# Allegro board 8880F5-0822_7.brd (continued)
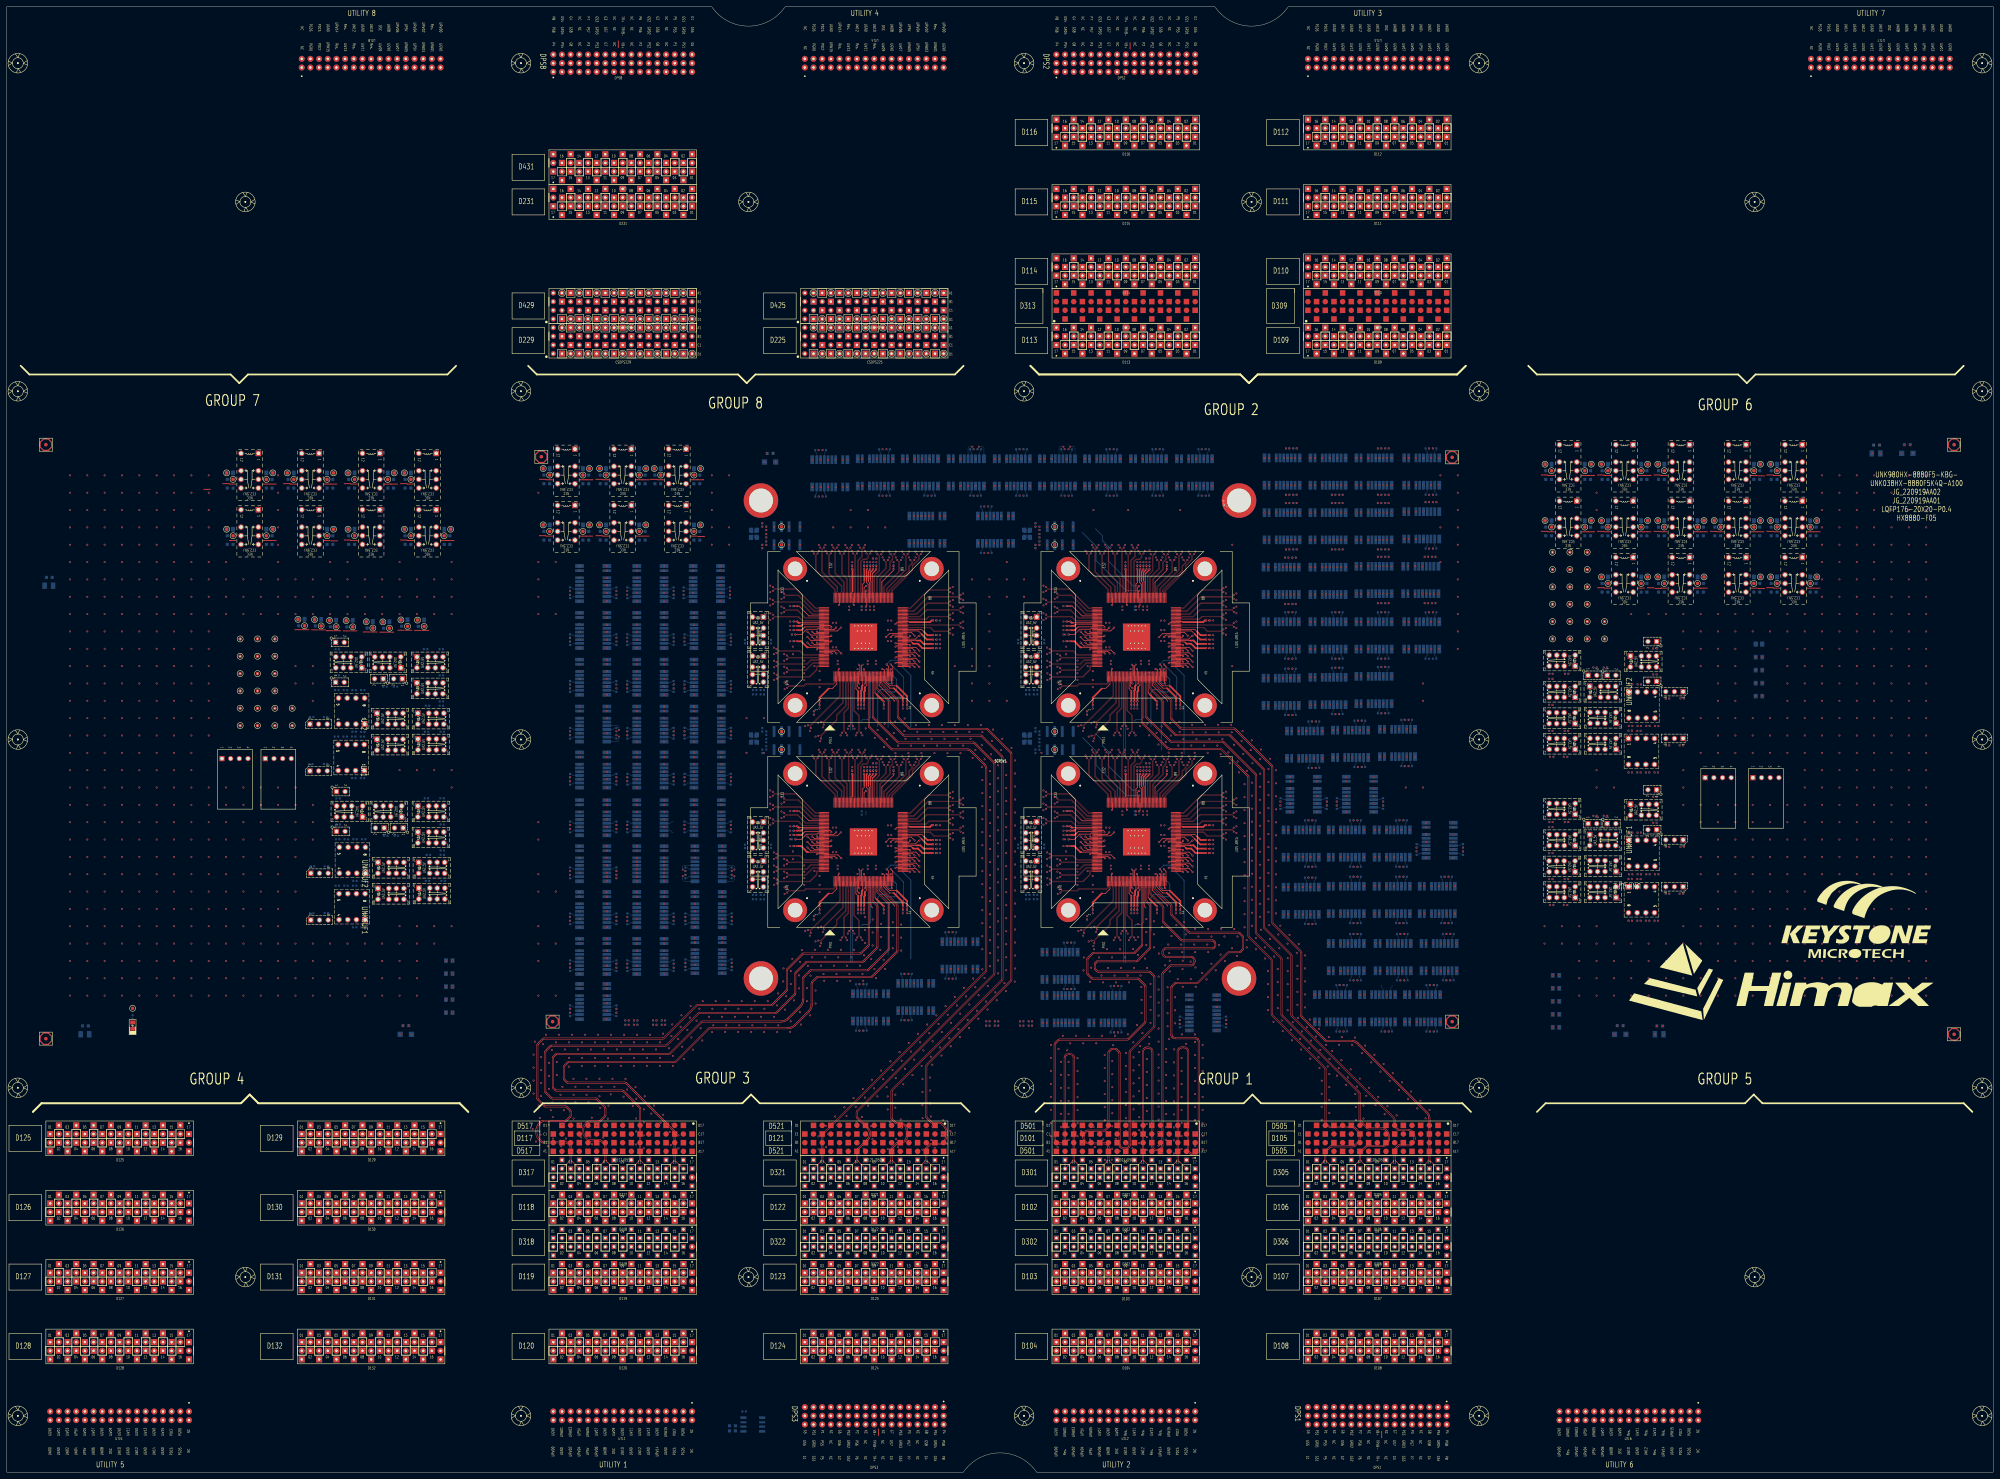
[diagram p0: board, top side]
## Routing (per net, layer and track width the routed paths; a pad name or vN(x,y) marks a point on that pad's centre or on a via; arc(x,y) is an arc through that point) (continued)
S3_DPS_F_001:
  vias: v1(190.24,131.06)
S3_DPS_F_002: length 10.1
  TOP w0.231: 240.65,169.55 241.72,169.55 243.03,170.86 SITE3.3
  TOP w0.508: v1(237.98,165.75) 237.98,166.88 240.65,169.55
  vias: v1(236.32,162.9) v1(237.98,163.71)
S3_DPS_F_003: length 63.1
  TOP w0.231: 251.69,201.16 251.69,200.65 252.23,200.11 SITE3.107 ; 232.83,188.18 233.08,188.43 SITE3.145 ; SITE3.17 248.63,169.5 249.28,168.85 ; SITE3.37 256.63,171.59 258.57,169.66 259.73,169.66 ; SITE3.63 264.9,183.23 265.2,182.93 ; 234.63,181.63 SITE3.162 ; 267.84,185.53 266.94,186.43 SITE3.71
  TOP w0.381: v1(251.94,204.54) 251.69,204.28 251.69,201.16
  TOP w0.508: 265.2,182.93 265.45,182.68 266.8,182.68 268.11,181.37 v1(271.22,181.37) ; v1(231.44,187.93) 232.58,187.93 232.83,188.18 ; v1(231.44,183.41) 232.59,183.41 234.37,181.63 234.63,181.63 ; 267.84,185.53 269.46,183.91 v1(271.22,183.91) ; v1(249.28,165.75) 249.28,168.85 ; 259.73,169.66 262.36,167.02 v1(262.36,165.75)
  vias: v1(229.4,187.93) v1(229.4,183.41) v1(249.28,163.71) v1(251.94,206.58) v1(262.36,163.71) v1(273.27,183.91) v1(273.27,181.37)
S3_DPS_F_006: length 9.6
  TOP w0.231: 268.55,186.19 267.92,186.83 SITE3.72
  TOP w0.508: 268.55,186.19 269.56,185.18 v1(271.22,185.18)
  vias: v1(259,186.67) v1(273.27,185.18)
S3_DPS_F_007: length 19
  TOP w0.231: 264.37,189.01 264.15,189.23 SITE3.78 ; v1(259.65,204.54) 259.65,204.13 256.23,200.71 SITE3.97
  TOP w0.508: v1(271.22,189.5) 270.8,189.5 270.31,189.01 264.37,189.01
  vias: v1(259.65,206.58) v1(273.27,189.5)
S3_DPS_F_009: length 8.8
  TOP w0.231: 252.26,201.12 252.26,200.9 252.63,200.53 SITE3.106
  TOP w0.381: v1(252.83,204.54) 252.83,204.39 252.26,203.82 252.26,201.12
  vias: v1(252.83,206.58) v1(253.61,207.66)
S3_DPS_F_010: length 8.6
  TOP w0.231: 251.05,201.13 251.05,200.57 250.63,200.15 SITE3.111
  TOP w0.381: 251.05,201.13 v1(251.05,204.54)
  vias: v1(251.05,206.58)
S3_DPS_F_011: length 17.6
  TOP w0.231: SITE3.139 234.87,190.83 232.01,193.69 v1(231.44,193.69) ; 247.64,198.01 247.43,197.79 SITE3.119
  TOP w0.508: 247.64,198.01 247.64,204.47 v1(247.57,204.54)
  vias: v1(229.4,193.69) v1(247.57,206.58)
S3_DPS_F_012: length 8
  TOP w0.231: 232.2,188.83 SITE3.144
  TOP w0.508: 232.2,188.83 231.81,188.83 v1(231.44,189.2)
  vias: v1(229.4,189.2)
S3_ISP00+: length 14.6
  TOP w0.086: SITE3.73 263.98,187.23 264.06,187.31 270.41,187.31 271.56,186.16 275.81,186.16 v1(276.24,185.73)
  vias: v1(184.47,178.86)
S3_ISP00-: length 14.6
  TOP w0.086: v1(276.24,186.87) 275.77,186.4 271.66,186.4 270.51,187.55 264.06,187.55 263.98,187.63 SITE3.74
  vias: v1(192.47,178.86)
S3_ISP14+: length 14.8
  TOP w0.086: SITE3.112 250.23,197.78 250.15,197.86 250.15,206.68 250.73,207.26 251.76,207.26 252.42,207.92 252.42,208.71 v1(252.86,209.15)
  vias: v1(184.47,174.46)
S3_ISP14-: length 14.8
  TOP w0.086: SITE3.113 249.83,197.78 249.91,197.86 249.91,206.78 250.63,207.5 251.66,207.5 252.18,208.02 252.18,208.69 v1(251.72,209.15)
  vias: v1(192.47,174.46)
S3_M_DPS_F_001: length 45.2
  TOP w0.231: SITE3.39 257.43,171.49 258.54,170.37 260.57,170.37 ; SITE3.147 233.7,187.63 233.24,187.18 ; SITE3.104 253.43,203.21 ; 266.49,183.63 SITE3.64 ; 250.63,170.54 SITE3.22
  TOP w0.381: 253.43,203.21 254.61,204.39 v1(254.61,204.54)
  TOP w0.508: 233.24,187.18 232.72,186.66 v1(231.44,186.66) ; 266.49,183.63 267.49,183.63 268.48,182.64 v1(271.22,182.64) ; v1(250.17,165.75) 250.17,168.96 250.38,169.17 250.38,170.28 250.63,170.54 ; 260.57,170.37 263.63,167.31 v1(263.63,165.75)
  vias: v1(229.4,186.66) v1(250.17,163.71) v1(254.61,206.58) v1(263.63,163.71) v1(273.27,182.64)
S3_PS9G_DCH001: length 3.7
  TOP w0.231: SITE3.18 249.03,170.23 v1(249.63,169.63)
S3_PS9G_DCH002: length 2.2
  TOP w0.231: SITE3.19 249.43,171.23 v1(249.63,171.03)
S3_PS9G_DCH003: length 2.2
  TOP w0.231: SITE3.24 251.43,171.23 v1(251.23,171.03)
S3_PS9G_DCH004: length 2.2
  TOP w0.231: v1(257.63,175.23) 257.83,175.03 SITE3.40
S3_PS9G_DCH005: length 2.2
  TOP w0.231: v1(264.43,175.83) 264.23,176.03 SITE3.45
S3_PS9G_DCH006: length 3.7
  TOP w0.231: SITE3.46 265.23,176.43 v1(265.83,175.83)
S3_PS9G_DCH007: length 5.3
  TOP w0.231: v1(267.23,175.83) 266.22,176.83 SITE3.47
S3_PS9G_DCH009: length 2.2
  TOP w0.231: v1(264.43,177.43) 264.23,177.63 SITE3.49
S3_PS9G_DCH010: length 3.7
  TOP w0.231: v1(265.83,177.43) 265.23,178.03 SITE3.50
S3_PS9G_DCH011: length 5.3
  TOP w0.231: SITE3.51 266.22,178.43 v1(267.23,177.43)
S3_PS9G_DCH014: length 3.7
  TOP w0.231: v1(265.83,179.03) 265.23,179.63 SITE3.54
S3_PS9G_DCH015: length 5.3
  TOP w0.231: v1(267.23,179.03) 266.22,180.03 SITE3.55
S3_PS9G_DCH022: length 5.3
  TOP w0.231: v1(267.23,185.03) 267.05,185.03 266.05,184.03 SITE3.65
S3_PS9G_DCH023: length 2.5
  TOP w0.231: SITE3.66 264.03,184.43 264.43,184.83 v1(264.43,185.03)
S3_PS9G_DCH027: length 3.9
  TOP w0.231: SITE3.70 264.83,186.03 v1(265.83,185.03)
S3_PS9G_DCH028: length 2.3
  TOP w0.231: SITE3.77 260.6,188.83 v1(260.23,188.46)
S3_PS9G_DCH030: length 9.2
  TOP w0.231: SITE3.148 237.62,187.23 237.3,186.91 234.16,186.91 232.63,185.39 v1(230.91,185.39)
S3_PS9G_DCH035: length 5.3
  TOP w0.231: v1(234.44,186.23) 235.44,185.23 SITE3.153
S3_PS9G_DCH036: length 2.2
  TOP w0.231: v1(241.43,185.03) 241.23,184.83 SITE3.154
S3_PS9G_DCH037: length 2.2
  TOP w0.231: v1(237.23,184.63) 237.43,184.43 SITE3.155
S3_PS9G_DCH038: length 3.7
  TOP w0.231: SITE3.156 236.43,184.03 v1(235.83,184.63)
S3_PS9G_DCH039: length 5.3
  TOP w0.231: SITE3.157 235.44,183.63 v1(234.44,184.63)
S3_PS9G_DCH040: length 2.2
  TOP w0.231: v1(241.43,183.43) 241.23,183.23 SITE3.158
S3_RLY_001:
  vias: v1(256.73,140.14) v1(282.9,155.38)
S3_RLY_003:
  vias: v1(167.7,182.06) v1(269.94,143.19)
S3_RLY_005:
  vias: v1(184.47,222.95) v1(201.23,222.95)
S3_RLY_007:
  vias: v1(184.47,209.49)
S3_RLY_008:
  vias: v1(167.7,209.49) v1(184.47,195.52)
S3_RLY_016:
  vias: v1(167.7,195.52) v1(201.23,209.49)
S3_RLY_021:
  vias: v1(167.7,168.6) v1(201.23,195.52)
S3_RLY_022:
  vias: v1(184.47,154.88) v1(201.49,155.13)
S3_RLY_023:
  vias: v1(167.7,141.67)
S3_RLY_025:
  vias: v1(201.49,182.06) v1(201.49,168.6)
S3_RLY_026:
  vias: v1(184.47,168.6)
S3_RLY_030:
  vias: v1(167.7,154.88)
S3_RLY_043:
  vias: v1(184.47,182.06)
S3_SCAN_DCH008: length 2.2
  TOP w0.231: v1(260.23,177.03) 260.43,177.23 SITE3.48
S3_SCAN_DCH012: length 2.2
  TOP w0.231: v1(260.23,178.63) 260.43,178.83 SITE3.52
S3_SCAN_DCH013: length 2.2
  TOP w0.231: SITE3.53 264.23,179.23 v1(264.43,179.03)
S3_SCAN_DCH016: length 2.2
  TOP w0.231: SITE3.56 260.43,180.43 v1(260.23,180.23)
S3_SCAN_DCH017: length 2.2
  TOP w0.231: SITE3.57 264.23,180.83 v1(264.43,180.63)
S3_SCAN_DCH018: length 3.7
  TOP w0.231: v1(265.83,180.63) 265.23,181.23 SITE3.58
S3_SCAN_DCH019: length 5.3
  TOP w0.231: v1(267.23,180.63) 266.22,181.63 SITE3.59
S3_SCAN_DCH020: length 2.2
  TOP w0.231: SITE3.60 260.43,182.03 v1(260.23,181.83)
S3_SCAN_DCH021: length 2.2
  TOP w0.231: v1(264.43,182.23) 264.23,182.43 SITE3.61
S3_SCAN_DCH024: length 2.2
  TOP w0.231: SITE3.67 260.43,184.83 v1(260.23,184.63)
S3_SCAN_DCH025: length 3.7
  TOP w0.231: SITE3.68 259.43,185.23 v1(258.83,184.63)
S3_SCAN_DCH026: length 5.3
  TOP w0.231: v1(257.44,184.63) 258.44,185.63 SITE3.69
S3_SCAN_DCH031: length 3.7
  TOP w0.231: v1(242.83,187.43) 242.23,186.83 SITE3.149
S3_SCAN_DCH032: length 5.3
  TOP w0.231: SITE3.150 243.22,186.43 v1(244.22,187.43)
S3_SCAN_DCH033: length 2.2
  TOP w0.231: SITE3.151 237.43,186.03 v1(237.23,186.23)
S3_SCAN_DCH034: length 3.7
  TOP w0.231: v1(235.83,186.23) 236.43,185.63 SITE3.152
S3_SPI_CSN: length 25.9
  TOP w0.231: SITE3.43 259.03,171.23 v1(259.23,171.03)
  BOTTOM w0.231: v1(259.23,171.03) 258.4,171.03 255.17,174.25 253.58,174.25 252.91,173.59 252.91,161.11 252.25,160.44 250.61,160.44 250.11,159.95
S3_SPI_SCK: length 25.3
  TOP w0.231: SITE3.42 258.63,175.03 v1(258.83,175.23)
  BOTTOM w0.231: 255.03,158.48 255.03,168.39 255.92,169.27 257.17,169.27 257.9,168.54 259.96,168.54 260.53,169.11 260.53,172.28 258.83,173.98 v1(258.83,175.23)
S3_SPI_SDI: length 34.1
  TOP w0.231: SITE3.44 259.43,176.03 v1(258.83,176.63)
  BOTTOM w0.231: 258.07,151.53 258.07,166.28 258.85,167.06 262.04,167.06 262.6,167.63 262.6,172.86 v1(258.83,176.63)
S3_SPI_SDO: length 37
  TOP w0.231: v1(257.63,176.63) 258.23,176.03 SITE3.41
  BOTTOM w0.231: 264.72,150.32 264.72,173.4 262.29,175.83 262.29,177.04 261.5,177.83 258.83,177.83 v1(257.63,176.63)
S3_XTAL_OUT: length 3.7
  TOP w0.231: SITE3.110 251.03,199.03 v1(251.63,199.63)
S4_1TX_100DCH001+: length 205.1
  L30_SIGNAL w0.071: v1(421.02,174.43) 421.5,173.96 421.5,173.04 426.91,167.62 426.91,135.65 416.34,125.08 401.59,125.08 388.53,138.14 357.01,138.14 355.95,137.09 353.41,137.09 350.43,140.07 350.43,142.28 344.46,148.24 340.59,148.24 339.16,146.81 317.71,146.81 313.69,142.79 303.19,142.79 300.04,139.65 300.04,136.22 300.73,135.54 309.6,135.54 310.01,135.13 v1(310.01,131.64)
S4_1TX_100DCH001-: length 204.8
  L30_SIGNAL w0.071: v1(310.01,139.64) 310.01,136.15 309.59,135.74 300.81,135.74 300.24,136.3 300.24,139.56 303.27,142.6 313.77,142.6 317.79,146.61 339.24,146.61 340.67,148.05 344.38,148.05 350.23,142.2 350.23,139.99 353.33,136.89 356.03,136.89 357.09,137.94 388.45,137.94 401.51,124.88 416.43,124.88 427.11,135.57 427.11,167.7 421.7,173.12 421.7,173.96 v1(422.17,174.43)
S4_1TX_100DCH002+: length 108.9
  TOP w0.086: SITE4.75 343.98,188.03 344.06,188.11 358.84,188.11 v1(359.29,187.66)
  L30_SIGNAL w0.071: v1(421.02,160.85) 421.5,161.32 421.5,162.24 421.07,162.68 418.82,162.68 418.3,162.16 418.3,159.59 414.98,156.26 405.77,156.26 399.36,162.67 399.36,179.96 397.46,181.87 367.79,181.87 361.53,188.13 359.76,188.13 v1(359.29,187.66)
S4_1TX_100DCH002-: length 109.2
  TOP w0.086: SITE4.76 343.98,188.43 344.06,188.35 358.84,188.35 v1(359.29,188.8)
  L30_SIGNAL w0.071: v1(359.29,188.8) 359.76,188.33 361.61,188.33 367.87,182.06 397.54,182.06 399.56,180.05 399.56,162.76 405.86,156.46 414.9,156.46 418.11,159.67 418.11,162.24 418.74,162.87 421.15,162.87 421.7,162.32 421.7,161.31 v1(422.17,160.85)
S4_1TX_100DCH003+: length 92.2
  TOP w0.086: v1(356.24,190.09) 355.8,190.53 350.02,190.53 349.2,189.71 344.06,189.71 343.98,189.63 SITE4.79
  L30_SIGNAL w0.071: v1(408.07,157.67) 408.54,158.14 408.54,159.38 407.87,160.06 406.43,160.06 403.03,163.46 403.03,181.26 400.14,184.16 370.8,184.16 367.44,187.51 364.01,187.51 360.96,190.56 356.72,190.56 v1(356.24,190.09)
S4_1TX_100DCH003-: length 92.6
  TOP w0.086: v1(356.24,191.23) 355.78,190.77 349.92,190.77 349.1,189.95 344.06,189.95 343.98,190.03 SITE4.80
  L30_SIGNAL w0.071: v1(409.21,157.67) 408.74,158.14 408.74,159.46 407.95,160.25 406.51,160.25 403.23,163.54 403.23,181.35 400.22,184.35 370.88,184.35 367.52,187.71 364.09,187.71 361.04,190.76 356.72,190.76 v1(356.24,191.23)
S4_1TX_100DCH004+: length 139.3
  TOP w0.086: v1(359.29,192.02) 358.8,192.51 349.46,192.51 347.46,190.51 344.06,190.51 343.98,190.43 SITE4.81
  L30_SIGNAL w0.071: v1(408.07,144.08) 408.54,144.55 408.54,145.4 407.35,146.59 407.35,150.53 408.78,151.96 423.35,151.96 425.63,154.24 425.63,165.4 422.08,168.95 414.42,168.95 411.46,171.91 411.46,181.18 406.99,185.66 373.31,185.66 366.48,192.49 359.76,192.49 v1(359.29,192.02)
S4_1TX_100DCH004-: length 139.6
  TOP w0.086: v1(359.29,193.16) 358.88,192.75 349.36,192.75 347.37,190.75 344.06,190.75 343.98,190.83 SITE4.82
  L30_SIGNAL w0.071: v1(409.21,144.08) 408.74,144.55 408.74,145.48 407.55,146.67 407.55,150.45 408.86,151.76 423.43,151.76 425.82,154.16 425.82,165.48 422.16,169.15 414.5,169.15 411.66,171.99 411.66,181.26 407.07,185.85 373.39,185.85 366.56,192.69 359.76,192.69 v1(359.29,193.16)
S4_1TX_100DCH005+: length 279.3
  TOP w0.086: v1(356.24,193.95) 355.8,194.39 349.61,194.39 346.53,191.31 344.06,191.31 343.98,191.23 SITE4.83
  L30_SIGNAL w0.071: v1(356.24,193.95) 355.77,194.42 355.29,194.42 354.77,194.95 354.77,195.98 355.4,196.62 357.4,196.62 359.32,194.69 361.81,194.69 362.8,195.68 366.32,195.68 370.55,191.45 377.34,191.45 379.69,189.1 410.09,189.1 412.67,191.68 426.43,191.68 428.52,189.59 428.52,135.03 416.57,123.07 397.94,123.07 396.88,124.13 385.18,124.13 384.09,125.22 352.85,125.22 347.85,130.22 347.85,140.23 344.44,143.64 331.92,143.64 328.46,140.17 325.53,140.17 324.72,140.98 324.72,141.96 v1(324.25,142.43)
S4_1TX_100DCH005-: length 277.7
  TOP w0.086: SITE4.84 343.98,191.63 344.06,191.55 346.43,191.55 349.51,194.63 355.78,194.63 v1(356.24,195.09)
  L30_SIGNAL w0.071: v1(325.39,142.43) 324.92,141.96 324.92,141.06 325.61,140.37 328.37,140.37 331.84,143.84 344.52,143.84 348.05,140.31 348.05,130.31 352.93,125.42 384.17,125.42 385.27,124.33 396.96,124.33 398.02,123.27 416.49,123.27 428.32,135.11 428.32,189.51 426.35,191.49 412.75,191.49 410.17,188.9 379.61,188.9 377.26,191.25 370.47,191.25 366.24,195.48 362.88,195.48 361.9,194.49 359.24,194.49 357.31,196.42 355.48,196.42 354.97,195.9 354.97,195.03 355.38,194.62 355.77,194.62 v1(356.24,195.09)
S4_1TX_100DCH006+: length 269.7
  TOP w0.086: SITE4.85 343.98,192.03 344.06,192.11 345.58,192.11 349.82,196.36 358.81,196.36 v1(359.29,195.88)
  L30_SIGNAL w0.071: v1(324.25,128.84) 324.72,129.31 324.72,130.02 325.59,130.88 327.71,130.88 337.17,121.42 342.01,121.42 343.71,119.71 394.81,119.71 395.8,118.72 415.6,118.72 429.44,132.56 429.44,190.56 427.07,192.93 412.66,192.93 409.24,189.5 380.1,189.5 377.66,191.95 370.78,191.95 366.37,196.35 359.76,196.35 v1(359.29,195.88)
S4_1TX_100DCH006-: length 270
  TOP w0.086: v1(359.29,197.02) 358.87,196.6 349.73,196.6 345.48,192.35 344.06,192.35 343.98,192.43 SITE4.86
  L30_SIGNAL w0.071: v1(359.29,197.02) 359.76,196.55 366.46,196.55 370.86,192.15 377.74,192.15 380.19,189.7 409.15,189.7 412.58,193.13 427.15,193.13 429.64,190.64 429.64,132.48 415.68,118.53 395.72,118.53 394.73,119.51 343.63,119.51 341.92,121.22 337.09,121.22 327.63,130.68 325.67,130.68 324.92,129.94 324.92,129.31 v1(325.39,128.84)
S4_1TX_100DCH007+: length 109.3
  TOP w0.086: v1(356.24,197.81) 355.83,198.23 349.88,198.23 344.57,192.91 344.06,192.91 343.98,192.83 SITE4.87
  L30_SIGNAL w0.071: v1(409.34,220.41) 409.81,220.88 409.81,222.14 408.72,223.23 407.28,223.23 406.57,222.52 406.57,215.5 403.31,212.23 389.74,212.23 387.14,209.63 387.14,207.82 388.83,206.13 388.83,192.9 386.08,190.16 380.51,190.16 379.88,190.79 379.88,195.39 376.1,199.18 363.85,199.18 362.95,198.28 356.72,198.28 v1(356.24,197.81)
S4_1TX_100DCH007-: length 109.6
  TOP w0.086: SITE4.88 343.98,193.23 344.06,193.15 344.47,193.15 349.78,198.47 355.76,198.47 v1(356.24,198.95)
  L30_SIGNAL w0.071: v1(356.24,198.95) 356.72,198.48 362.87,198.48 363.77,199.37 376.18,199.37 380.08,195.48 380.08,190.87 380.59,190.36 386,190.36 388.63,192.99 388.63,206.05 386.94,207.74 386.94,209.71 389.66,212.43 403.23,212.43 406.38,215.58 406.38,222.61 407.2,223.43 408.8,223.43 410.01,222.22 410.01,220.88 v1(410.48,220.41)
S4_2AUX+:
  vias: v1(300.22,132.08) v1(300.22,130.81)
S4_2AUX-:
  vias: v1(296.68,130.81) v1(297.68,132.08)
S4_2TX_100DCH001+: length 16.3
  TOP w0.086: SITE4.89 339.43,197.78 339.35,197.86 339.35,198.16 345.32,204.13 345.32,205.52 347.21,207.41 347.21,208.5 v1(347.64,208.93)
  vias: v1(409.34,206.82)
S4_2TX_100DCH001-: length 16.3
  TOP w0.086: 346.97,208.46 346.97,207.51 345.08,205.62 345.08,204.23 339.11,198.26 339.11,197.86 339.03,197.78 SITE4.90 ; 346.97,208.46 346.97,208.48 ; 346.97,208.46 v1(346.5,208.93)
  vias: v1(410.48,206.82)
S4_2TX_100DCH002+: length 14.1
  TOP w0.086: v1(345.72,207.21) 345.28,206.78 345.28,206.31 344.35,205.37 344.35,204.04 338.55,198.23 338.55,197.86 338.63,197.78 SITE4.91
  vias: v1(421.53,157.67)
S4_2TX_100DCH002-: length 14.1
  TOP w0.086: v1(344.57,207.21) 345.04,206.74 345.04,206.4 344.11,205.47 344.11,204.13 338.31,198.33 338.31,197.86 338.23,197.78 SITE4.92
  vias: v1(422.68,157.67)
S4_2TX_100DCH003+: length 15.3
  TOP w0.086: v1(343.79,208.93) 343.34,208.49 343.34,204.27 337.75,198.68 337.75,197.86 337.83,197.78 SITE4.93
  vias: v1(421.53,144.08)
S4_2TX_100DCH003-: length 15.3
  TOP w0.086: v1(342.64,208.93) 343.1,208.47 343.1,204.37 337.51,198.78 337.51,197.86 337.43,197.78 SITE4.94
  vias: v1(422.68,144.08)
S4_2TX_100DCH004+: length 13.1
  TOP w0.086: v1(341.86,207.21) 341.41,206.77 341.41,203.74 336.95,199.28 336.95,197.86 337.03,197.78 SITE4.95
  vias: v1(394.35,157.67)
S4_2TX_100DCH004-: length 13.2
  TOP w0.086: SITE4.96 336.63,197.78 336.71,197.86 336.71,199.38 341.17,203.84 341.17,206.75 v1(340.71,207.21)
  vias: v1(395.5,157.67)
S4_2TX_100DCH005+: length 14.6
  TOP w0.086: SITE4.98 335.83,197.78 335.75,197.86 335.75,201.48 338.7,204.43 338.7,206.53 339.46,207.3 339.46,208.47 v1(339.93,208.93)
  vias: v1(394.35,144.08)
S4_2TX_100DCH005-: length 14.6
  TOP w0.086: SITE4.99 335.43,197.78 335.51,197.86 335.51,201.58 338.46,204.53 338.46,206.63 339.22,207.4 339.22,208.49 v1(338.78,208.93)
  vias: v1(395.5,144.08)
S4_2TX_100DCH006+: length 12.4
  TOP w0.086: v1(338,207.21) 337.55,206.76 337.55,204.67 334.95,202.07 334.95,197.86 335.03,197.78 SITE4.100
  vias: v1(426.4,182.99)
S4_2TX_100DCH006-: length 12.4
  TOP w0.086: v1(336.85,207.21) 337.31,206.76 337.31,204.77 334.71,202.17 334.71,197.86 334.63,197.78 SITE4.101
  vias: v1(426.4,181.84)
S4_2TX_100DCH007+: length 13.6
  TOP w0.086: v1(336.07,208.93) 335.64,208.51 335.64,204.07 334.15,202.58 334.15,197.86 334.23,197.78 SITE4.102
  vias: v1(412.81,182.99)
S4_2TX_100DCH007-: length 13.7
  TOP w0.086: SITE4.103 333.83,197.78 333.91,197.86 333.91,202.68 335.4,204.17 335.4,208.46 v1(334.93,208.93)
  vias: v1(412.81,181.84)
S4_3TX_100DCH002+: length 197.4
  TOP w0.086: SITE4.114 329.43,197.78 329.35,197.86 329.35,207.06 330.46,208.18 330.46,210.4 v1(330.93,210.87)
  L30_SIGNAL w0.071: v1(330.93,210.87) 330.46,210.4 330.46,203.29 346.84,186.9 353.69,186.9 359.47,181.12 395.32,181.12 398.7,177.74 398.7,146.26 402.3,142.66 412.68,142.66 414.37,144.35 419.12,144.35 420.76,142.71 420.76,138.95 418.5,136.7 402.67,136.7 400.84,134.86 400.84,127.24 401.62,126.45 403.4,126.45 403.98,127.04 403.98,128.61 v1(403.5,129.1)
S4_3TX_100DCH002-: length 198
  TOP w0.086: v1(329.79,210.87) 330.22,210.43 330.22,208.28 329.11,207.16 329.11,197.86 329.03,197.78 SITE4.115
  L30_SIGNAL w0.071: v1(329.79,210.87) 330.26,210.4 330.26,203.2 346.76,186.7 353.61,186.7 359.39,180.92 395.23,180.92 398.5,177.66 398.5,146.18 402.21,142.47 412.76,142.47 414.45,144.16 419.03,144.16 420.56,142.63 420.56,139.04 418.42,136.9 402.59,136.9 400.64,134.94 400.64,127.15 401.54,126.25 403.48,126.25 404.18,126.95 404.18,128.64 v1(404.64,129.1)
S4_3TX_100DCH003+: length 92.3
  TOP w0.086: v1(328.93,209.15) 328.55,208.77 328.55,197.86 328.63,197.78 SITE4.116
  L30_SIGNAL w0.071: v1(328.93,209.15) 328.46,209.62 328.46,212.66 330.34,214.54 343.09,214.54 344.13,213.51 358.11,213.51 359.65,215.06 374.52,215.06 379.48,210.1 379.48,201.55 381.62,199.41 381.62,191.02 381.55,190.94 v1(381.15,190.94)
S4_3TX_100DCH003-: length 93
  TOP w0.086: v1(327.79,209.15) 328.31,208.63 328.31,197.86 328.23,197.78 SITE4.117
  L30_SIGNAL w0.071: v1(382.29,190.94) 381.89,190.94 381.82,191.02 381.82,199.49 379.68,201.63 379.68,210.18 374.61,215.25 359.57,215.25 358.02,213.71 344.21,213.71 343.18,214.74 330.26,214.74 328.26,212.75 328.26,209.62 v1(327.79,209.15)
S4_3TX_100DCH004+: length 94.9
  TOP w0.086: SITE4.120 327.03,197.78 326.95,197.86 326.95,202.28 326.61,202.62 326.61,210.41 v1(327.07,210.87)
  L30_SIGNAL w0.071: v1(327.07,210.87) 326.6,210.4 326.6,202.3 337.77,191.13 340.99,191.13 342.91,189.2 342.91,184.95 346.06,181.8 348.43,181.8 353.3,176.94 371.84,176.94 373.86,174.92 380.87,174.92 381.62,175.67 381.62,176.88 v1(381.15,177.36)
S4_3TX_100DCH004-: length 95.6
  TOP w0.086: SITE4.121 326.63,197.78 326.71,197.86 326.71,202.19 326.38,202.52 326.38,210.42 v1(325.93,210.87)
  L30_SIGNAL w0.071: v1(382.29,177.36) 381.82,176.88 381.82,175.58 380.96,174.72 373.78,174.72 371.76,176.74 353.21,176.74 348.35,181.6 345.98,181.6 342.72,184.87 342.72,189.12 340.91,190.93 337.69,190.93 326.4,202.22 326.4,210.4 v1(325.93,210.87)
S4_3TX_100DCH005+: length 118.5
  TOP w0.086: v1(325.14,209.15) 324.69,208.7 324.69,203.17 326.15,201.71 326.15,197.86 326.23,197.78 SITE4.122
  L30_SIGNAL w0.071: v1(325.14,209.15) 324.67,208.68 324.67,196.15 326.01,194.81 326.01,176.77 329.58,173.19 394.39,173.19 394.83,173.63 394.83,173.96 v1(394.35,174.43)
S4_3TX_100DCH005-: length 119.1
  TOP w0.086: v1(324,209.15) 324.46,208.69 324.46,203.07 325.91,201.61 325.91,197.86 325.83,197.78 SITE4.123
  L30_SIGNAL w0.071: v1(324,209.15) 324.47,208.68 324.47,196.07 325.82,194.73 325.82,176.68 329.5,173 394.47,173 395.02,173.55 395.02,173.96 v1(395.5,174.43)
S4_3TX_100DCH006+: length 135
  TOP w0.086: v1(323.16,210.88) 322.73,210.45 322.73,203.37 325.35,200.75 325.35,197.86 325.43,197.78 SITE4.124
  L30_SIGNAL w0.071: v1(394.35,160.85) 394.83,160.37 394.83,159.29 394.29,158.75 392.76,158.75 391.47,160.04 391.47,166.25 388.65,169.06 360.7,169.06 357.67,172.1 328.31,172.1 325.23,175.17 325.23,189.99 322.69,192.54 322.69,210.41 v1(323.16,210.88)
S4_3TX_100DCH006-: length 135.7
  TOP w0.086: SITE4.125 325.03,197.78 325.11,197.86 325.11,200.65 322.49,203.28 322.49,210.41 v1(322.02,210.88)
  L30_SIGNAL w0.071: v1(322.02,210.88) 322.49,210.41 322.49,192.45 325.03,189.91 325.03,175.09 328.22,171.9 357.59,171.9 360.62,168.87 388.57,168.87 391.27,166.16 391.27,159.96 392.68,158.55 394.37,158.55 395.02,159.21 395.02,160.37 v1(395.5,160.85)
S4_3TX_100DCH007+: length 175
  TOP w0.086: SITE4.126 324.63,197.78 324.55,197.86 324.55,199.62 320.83,203.34 320.83,208.7 v1(321.28,209.15)
  L30_SIGNAL w0.071: v1(321.28,209.15) 320.81,208.68 320.81,156.64 325.48,151.97 329.66,151.97 333.56,155.86 359.5,155.86 363.54,151.83 377.21,151.83 388.06,140.97 416.32,140.97 417.18,141.83 417.18,142.21 v1(416.71,142.68)
S4_3TX_100DCH007-: length 175.6
  TOP w0.086: v1(320.14,209.15) 320.59,208.7 320.59,203.24 324.31,199.52 324.31,197.86 324.23,197.78 SITE4.127
  L30_SIGNAL w0.071: v1(417.85,142.68) 417.38,142.21 417.38,141.75 416.4,140.77 387.98,140.77 377.13,151.63 363.45,151.63 359.42,155.67 333.65,155.67 329.75,151.77 325.4,151.77 320.61,156.55 320.61,208.68 v1(320.14,209.15)
S4_4TX_100DCH001+: length 16.8
  TOP w0.086: SITE4.129 323.43,197.78 323.35,197.86 323.35,199.29 318.85,203.79 318.85,210.43 v1(319.3,210.88)
  vias: v1(416.71,129.1)
S4_4TX_100DCH001-: length 16.8
  TOP w0.086: SITE4.130 323.03,197.78 323.11,197.86 323.11,199.19 318.61,203.69 318.61,210.43 v1(318.16,210.88)
  vias: v1(417.85,129.1)
S4_4TX_100DCH002+: length 15.6
  TOP w0.086: SITE4.131 322.63,197.78 322.55,197.86 322.55,198.66 316.97,204.24 316.97,208.69 v1(317.43,209.15)
  vias: v1(390.29,142.68)
S4_4TX_100DCH002-: length 15.6
  TOP w0.086: v1(316.28,209.15) 316.73,208.71 316.73,204.14 322.31,198.56 322.31,197.86 322.23,197.78 SITE4.132
  vias: v1(391.43,142.68)
S4_4TX_100DCH003+: length 17.6
  TOP w0.086: v1(304.31,199.31) 304.75,198.87 311.22,198.87 316.94,193.15 317.6,193.15 317.68,193.23 SITE4.133
  vias: v1(390.29,129.1)
S4_4TX_100DCH003-: length 17.6
  TOP w0.086: SITE4.134 317.68,192.83 317.6,192.91 316.84,192.91 311.12,198.63 304.77,198.63 v1(304.31,198.17)
  vias: v1(391.43,129.1)
S4_4TX_100DCH004+: length 13.8
  TOP w0.086: v1(307.6,197.38) 308.04,196.95 311.86,196.95 316.46,192.35 317.6,192.35 317.68,192.43 SITE4.135
  vias: v1(407.82,174.43)
S4_4TX_100DCH004-: length 13.9
  TOP w0.086: v1(307.6,196.24) 308.07,196.71 311.76,196.71 316.36,192.11 317.6,192.11 317.68,192.03 SITE4.136
  vias: v1(408.96,174.43)
S4_4TX_100DCH005+: length 16.7
  TOP w0.086: v1(304.31,195.45) 304.75,195.01 312.43,195.01 315.88,191.55 317.6,191.55 317.68,191.63 SITE4.137
  vias: v1(407.82,160.85)
S4_4TX_100DCH005-: length 16.7
  TOP w0.086: v1(304.31,194.31) 304.76,194.77 312.33,194.77 315.78,191.31 317.6,191.31 317.68,191.23 SITE4.138
  vias: v1(408.96,160.85)
S4_4TX_100DCH006+: length 12.9
  TOP w0.086: v1(307.6,193.14) 308.04,192.7 311.52,192.7 313.87,190.35 317.6,190.35 317.68,190.43 SITE4.140
  vias: v1(310.53,155.13)
S4_4TX_100DCH006-: length 12.9
  TOP w0.086: SITE4.141 317.68,190.03 317.6,190.11 313.78,190.11 311.43,192.46 308.06,192.46 v1(307.6,192)
  vias: v1(311.68,155.13)
S4_4TX_100DCH007+: length 15.7
  TOP w0.086: SITE4.142 317.68,189.63 317.6,189.55 313.04,189.55 311.83,190.76 304.76,190.76 v1(304.31,191.21)
  vias: v1(310.53,141.54)
S4_4TX_100DCH007-: length 15.7
  TOP w0.086: v1(304.31,190.07) 304.76,190.52 311.73,190.52 312.94,189.31 317.6,189.31 317.68,189.23 SITE4.143
  vias: v1(311.68,141.54)
S4_AUX_100DCH002+:
  vias: v1(299.22,132.08)
S4_AUX_100DCH002-:
  vias: v1(296.68,132.08)
S4_AUXCH+: length 32.3
  TOP w0.203: v2(330.6,176.57) 330.23,176.2 SITE4.21
  BOTTOM w0.203: v2(330.6,176.57) 330.3,176.28 330.3,174.52 327.57,171.79 327.57,149.14
S4_AUXCH-: length 32.1
  TOP w0.203: SITE4.20 329.83,176.2 v2(329.46,176.57)
  BOTTOM w0.203: 327.02,149.37 327.02,172.02 329.76,174.75 329.76,176.28 v2(329.46,176.57)
S4_AVDD11_RX: length 8.4
  TOP w0.231: 334.67,167.85 334.23,168.29 SITE4.31
  TOP w0.508: v1(336.77,165.75) 334.67,167.85
  vias: v1(336.77,163.71)
S4_AVDD11_XTAL: length 8.8
  TOP w0.231: SITE4.105 333.03,200.95 332.87,201.11 332.87,201.45
  TOP w0.381: 332.87,201.45 332.87,203.59 333.72,204.45 v1(333.72,204.54)
  vias: v1(333.72,206.58)
